# Altium PCB EBAZ4205扩展.PcbDoc (part 1 of 3) (continued)
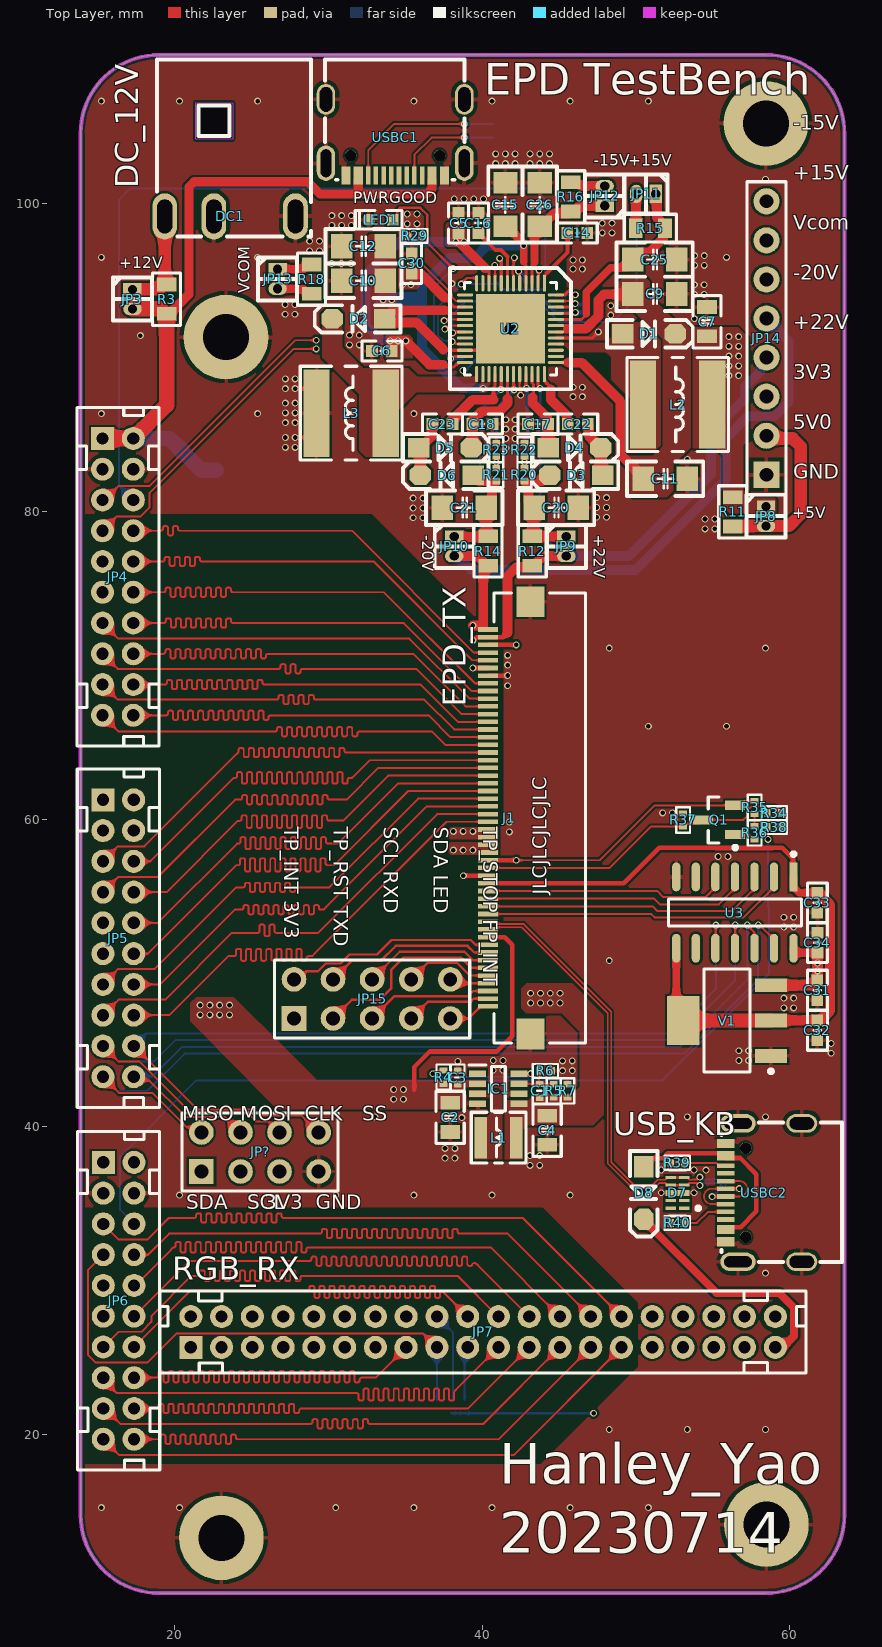
[diagram p0: Top Layer view]
## Footprints (in the part's own frame and the unit in brackets; to place one, negate y for a bottom-side part, rotate by r counter-clockwise, add the part's x,y. Pads: shape width x height; smd on the part's side, far side on the other; paste and mask are expansions set on the pad) (continued)
HDR2.54-LI-2x5P [mm] "双排排针，5x2脚"
  rect 1.6x1.6 hole 0.9: 1(-5.08,-1.27)
  round 1.6 hole 0.9: 2(-5.08,1.27) 3(-2.54,-1.27) 4(-2.54,1.27) 5(0,-1.27) 6(0,1.27) 7(2.54,-1.27) 8(2.54,1.27) 9(5.08,-1.27) 10(5.08,1.27)
  silkscreen extent -6.35,-2.54 6.35,2.54, body extent -6.35,-2.54 6.35,2.54, height 8.5
HDR2.54-LI-8P [mm] "排针，8脚  淘宝ID:黄晶宝石   店铺网址:https://shop463601444.taobao.com"
  rect 1.7x1.7 hole 0.9: 1(-8.89,0)
  round 1.7 hole 0.9: 2(-6.35,0) 3(-3.81,0) 4(-1.27,0) 5(1.27,0) 6(3.81,0) 7(6.35,0) 8(8.89,0)
  silkscreen extent -10.16,-1.27 10.16,1.27, body extent -10.16,-1.27 10.16,1.27, height 2.54
LED0603_B [mil] "蓝色0603LED"
  rect 30x30 smd: 1(-30.59,0)
  oct 30x30 smd: 2(30.59,0)
  silkscreen extent -54,-24 65,24, body extent -32,-16 31,16, height 24
MINI560 [mm]
  rect 3.25x5.2 smd: 1(-13.335,5.7) 2(-13.335,-5.7) 3(13.335,5.7) 4(13.335,-5.7)
  silkscreen extent -15,-9 15,9
NR3010 [mm] "3.0mm*3.0mm*1.0mm(长*宽*高）"
  rect 0.8x2.7 smd: 1(-1.15,0) 2(1.15,0)
  silkscreen extent -1.78,-1.65 1.78,1.65, body extent -1.5,-1.5 1.5,1.5, height 1.15
NR6020 [mm] "6.0mm*6.0mm*2.0mm(长*宽*高）"
  rect 1.7x5.7 smd: 1(-2.25,0) 2(2.25,0)
  silkscreen extent -3.3,-3.05 3.3,3.05, body extent -3,-3 3,3, height 2.1
PHD2.0-LI-2x10P [mm] "20脚，长：22mm，宽：5mm，高：6.5mm"
  rect 1.5x1.5 hole 0.8: 1(-9,-1)
  round 1.5 hole 0.8: 2(-9,1) 3(-7,-1) 4(-7,1) 5(-5,-1) 6(-5,1) 7(-3,-1) 8(-3,1) 9(-1,-1) 10(-1,1) 11(1,-1) 12(1,1) 13(3,-1) 14(3,1) 15(5,-1) 16(5,1) 17(7,-1) 18(7,1) 19(9,-1) 20(9,1)
  silkscreen extent -11,-2.67 11,2.67, body extent -11,-2.5 11,2.5, height 6.55
PHD2.0-LI-2x20P [mm] "40脚，长：42mm，宽：5mm，高：6.5mm"
  rect 1.5x1.5 hole 0.8: 1(-19,-1)
  round 1.5 hole 0.8: 2(-19,1) 3(-17,-1) 4(-17,1) 5(-15,-1) 6(-15,1) 7(-13,-1) 8(-13,1) 9(-11,-1) 10(-11,1) 11(-9,-1) 12(-9,1) 13(-7,-1) 14(-7,1) 15(-5,-1) 16(-5,1) 17(-3,-1) 18(-3,1) 19(-1,-1) 20(-1,1) 21(1,-1) 22(1,1) 23(3,-1) 24(3,1) 25(5,-1) 26(5,1) 27(7,-1) 28(7,1) 29(9,-1) 30(9,1) 31(11,-1) 32(11,1) 33(13,-1) 34(13,1) 35(15,-1) 36(15,1) 37(17,-1) 38(17,1) 39(19,-1) 40(19,1)
  silkscreen extent -21,-2.67 21,2.67, body extent -21,-2.5 21,2.5, height 6.55
R0402_L [mm] "1/16W贴片电阻"
  rect 0.4x0.5 smd: 1(-0.425,0) 2(0.425,0)
  silkscreen extent -0.82,-0.45 0.83,0.45, body extent -0.5,-0.25 0.5,0.25, height 0.3
R0805-HP_L [mm] "1/8W高精度贴片电阻"
  rect 0.889x1.27 smd: 1(-0.95,0) 2(0.95,0)
  silkscreen extent -1.7,-0.91 1.7,0.9, body extent -1,-0.62 1,0.63, height 0.5
SOD-123 [mil] "2.7x1.6X1.1mm（长宽高，不包括引脚） 淘宝ID:黄晶宝石"
  rect 55x50 smd: 1(-67.5,0)
  oct 55x50 smd: 2(67.5,0)
  silkscreen extent -108,-35 112,35, body extent -73,-32 73,31, height 50
SOP65P280X100-8N [mm]
  rect 1.1x0.45 smd: 1(-1.35,0.975) 2(-1.35,0.325) 3(-1.35,-0.325) 4(-1.35,-0.975) 5(1.35,-0.975) 6(1.35,-0.325) 7(1.35,0.325) 8(1.35,0.975)
  silkscreen extent -1.9,-1.45 0.45,1.55, body extent -1.4,-1.45 1.4,1.45, height 1
SOT23-3N [mm] "SOT23, 3-Leads, Body 2.9x1.3mm, Pitch 0.95mm, Lead Span 2.4mm, IPC Medium Density"
  rect 1.3x0.6 smd: 1(-1.05,0.95) 2(-1.05,-0.95) 3(1.05,0)
  silkscreen extent -1.18,-1.5 0.7,1.92, body extent -1.2,-1.5 1.2,1.5, height 1.05
SOT223_L [mm] "SOT223, 4-Leads, Body 6.5x3.5mm, Pitch 2.3mm, Lead Span 7mm, IPC High Density"
  rect 2.1x0.9 smd: 1(-2.85,2.3) 2(-2.85,0) 3(-2.85,-2.3)
  rect 2.1x3.2 smd: 4(2.85,0)
  silkscreen extent -2.98,-3.35 1.5,3.42, body extent -3.51,-3.25 3.51,3.25, height 1.65
TPS65185_RSLR [mm]
  rect 1.057x0.199 smd paste+0 mask+0: 1(-2.951,2.2)
  rrect100% 1.057x0.199 smd paste+0 mask+0: 2(-2.951,1.8) 3(-2.951,1.4) 4(-2.951,1) 5(-2.951,0.6) 6(-2.951,0.2) 7(-2.951,-0.2) 8(-2.951,-0.6) 9(-2.951,-1) 10(-2.951,-1.4) 11(-2.951,-1.8) 12(-2.951,-2.2) 25(2.951,-2.2) 26(2.951,-1.8) 27(2.951,-1.4) 28(2.951,-1) 29(2.951,-0.6) 30(2.951,-0.2) 31(2.951,0.2) 32(2.951,0.6) 33(2.951,1) 34(2.951,1.4) 35(2.951,1.8) 36(2.951,2.2)
  rrect100% 0.199x1.057 smd paste+0 mask+0: 13(-2.2,-2.951) 14(-1.8,-2.951) 15(-1.4,-2.951) 16(-1,-2.951) 17(-0.6,-2.951) 18(-0.2,-2.951) 19(0.2,-2.951) 20(0.6,-2.951) 21(1,-2.951) 22(1.4,-2.951) 23(1.8,-2.951) 24(2.2,-2.951) 37(2.2,2.951) 38(1.8,2.951) 39(1.4,2.951) 40(1,2.951) 41(0.6,2.951) 42(0.2,2.951) 43(-0.2,2.951) 44(-0.6,2.951) 45(-1,2.951) 46(-1.4,2.951) 47(-1.8,2.951) 48(-2.2,2.951)
  rrect50% 1.524x1.524 hole 0.762: 49(0,0)
  rect 4.5x4.5 smd paste-1000 mask+0: 49_1(0,0)
  silkscreen extent -3.94,-3.94 3.94,3.94, body extent -3.98,-3.98 3.98,3.98, height 0.25
USB-C-SMD_16P [mm] "封装库来自淘宝ID:黄晶宝石"
  oval 1.2x2.3 hole 0.7 slot 1.8 at 90 deg: 0(-4.5,-1.675) 0(4.5,-1.675)
  oval 1.2x2 hole 0.8 slot 1.6 at 90 deg: 0(-4.5,2.475) 0(4.5,2.475)
  rect 0.3x1.15 smd: A1(3.35,-2.473) A4(2.55,-2.471) A5(1.25,-2.475) A6(0.25,-2.475) A7(-0.25,-2.473) A9(-2.55,-2.475) A12(-3.35,-2.475) B1(-3.05,-2.475) B4(-2.25,-2.475) B5(-1.75,-2.475) B6(-0.75,-2.475) B7(0.75,-2.473) B9(2.25,-2.471) B12(3.05,-2.473)
  rect 0.3x1.148 smd: A8(1.75,-2.475) B8(-1.25,-2.475)
  round 0.75 hole 0.75 unplated: ""(-2.89,-1.175) ""(2.89,-1.175)
  silkscreen extent -4.56,-2.75 4.5,5.08, body extent -4.44,-2.87 4.5,5.03, height 3.25

## Part data
C1 C2 C3 C4 C5 C6 C7 C8 C9 C10 C11 C12 C13 C14 C15 C16 C17 C18 C19 C20 C21 C22 C23 C24 C25 C26 C27 C28 C29 C30 C31 C32 C33 C34: library part C, "贴片电容"
  C1 C2 C3 C4 C31 C32 C33 C34: BOM名称=无极性贴片电容, 联系卖家，免费查找封装=唯一出售店铺网址https://shop463601444.taobao.com
  C5 C6 C7 C8 C9 C10 C11 C12 C13 C14 C15 C16 C17 C18 C19 C20 C21 C22 C23 C24 C25 C26 C27 C28 C29 C30: 0.0_BOM名称=无极性贴片电容, 1.库作者=冰凌猫, 2.库版本="v2.0 (2021.03.30)", 3.交流分享=Q群514746572,开源更新,欢迎一起交流学习PCB设计, 4.作者声明=旨为整合最全库集,欢迎转载,禁止商用！-冰凌猫, 5.备注说明=该库已二次整合过网上各热销库,基本最全,无需重复搜购安装
D7: "TVS DIODE 5V 15V SLP2510P8", Capacitance=0.8pF, Case/Package=SMD/SMT, Clamping Voltage=15V, Leakage Current=1uA, Max Operating Temperature=125°C, Min Breakdown Voltage=6V, Min Operating Temperature=-55°C, Peak Pulse Current=1A, Peak Pulse Power=150W, Power Line Protection=Yes, Reverse Standoff Voltage=5V, Clamping Voltage-Max=15V, Depth=1mm, Direction=Unidirectional, Length=2.5mm, Mount="Surface Mount", Number of Bidirectional Channels=4, Number of Pins=10, Number of Unidirectional Channels=4, Packaging="Tape and Reel", Radiation Hardening=No, RoHS Compliant=Yes, Series=RailClamp®, Working Voltage=5V
D8: "TVS通用", Code_JEDEC=DO-214-AB, 联系卖家，免费查找封装=唯一出售店铺网址https://shop463601444.taobao.com
IC1: "Integrated Circuit", Manufacturer_Name="Monolithic Power Systems (MPS)", Mouser Part Number=946-MP2143DJLFZ, Datasheet Link=https://www.mouser.com/ds/2/277/MP2143_r1.07-371732.pdf, Height=1mm, Manufacturer_Part_Number=MP2143DJ-LF-Z, Mouser Price/Stock=https://www.mouser.co.uk/ProductDetail/Monolithic-Power-Systems-MPS/MP2143DJ-LF-Z?qs=QEkzKklKf2Sh6e0cSbvEyA%3D%3D
J1: library part CMP-1502-01644-1, "SMT ZIF Connectors Hinge Type WR-FPC, Horizontal, Bottom Contact, pitch 0.5 mm, 50 pins", Contact Resistance=50mOhm, Manufacturer="Wurth Elektronik", Operating Temperature=-40to105degC, Rated Current=0.5A, Withstanding Voltage=150VAC, Working Voltage=50VAC, Contact Design=BottomContact, Datasheet URL=https://katalog.we-online.de/em/datasheet/687150149022.pdf, Manufacturer URL=http://www.we-online.de, Mounting Technology=SMT, Orientation=Horizontal, Package Reference=687150149022, Packaging=TapeandReel, Part Number=687150149022, Pin Number=50, Pitch=0.5mm, Publisher=WurthElektronik
JP3 JP8 JP9 JP10 JP11 JP12 JP13: library part "Header 2", "2P接插件", BOM名称=2P接插件, 学习资源=www.ooocke.com, 版权归属=源创客
JP4 JP5 JP6: library part "Header 10X2", "10*2P接插件", 封装库来自淘宝卖家 ID：黄晶宝石=其他店铺购入均为盗版，不享受售后技术支持服务，请立即申请退款
JP7: library part "Header 20X2", "20*2P接插件", BOM名称=20*2P接插件, 封装库来自淘宝卖家 ID：黄晶宝石=其他店铺购入均为盗版假冒封装库
JP14: library part "Header 8", "8P接插件", BOM名称=8P接插件, 学习资源=www.ooocke.com, 版权归属=源创客
JP15: "5*2P接插件", BOM名称=5*2P接插件, 封装库来自淘宝卖家 ID：黄晶宝石=其他店铺购入均为盗版假冒封装库, 联系卖家，免费查找封装=唯一出售店铺网址https://shop463601444.taobao.com
JP?: "4*2P接插件", BOM名称=4*2P接插件, 封装库来自淘宝卖家 ID：黄晶宝石=其他店铺购入均为盗版假冒封装库, 联系卖家，免费查找封装=唯一出售店铺网址https://shop463601444.taobao.com
L1 L2 L3: library part L-NR, "太诱-NR磁胶电感", 0.0_BOM名称=NR磁胶电感, 1.库作者=冰凌猫, 2.库版本="v2.0 (2021.03.30)", 3.交流分享=Q群514746572,开源更新,欢迎一起交流学习PCB设计, 4.作者声明=旨为整合最全库集,欢迎转载,禁止商用！-冰凌猫, 5.备注说明=该库已二次整合过网上各热销库,基本最全,无需重复搜购安装
LED1: library part LED-SMD, "贴片LED", BOM名称=贴片LED, 封装库来自淘宝卖家 ID：黄晶宝石=其他店铺购入均为假冒，请立即申请退款，本店奖励现金5~20元
Q1: "P沟道 30V/4.2A", BOM名称=场效应管, 参数="P沟道 30V/4.2A", 封装库来自淘宝卖家 ID：黄晶宝石=其他店铺购入均为盗版，不享受售后技术支持服务，请立即申请退款, 联系卖家，免费查找封装=唯一出售店铺网址https://shop463601444.taobao.com
R1 R2 R4 R5 R6 R7 R8 R9 R10 R13 R17 R19 R20 R21 R22 R23 R24 R25 R26 R27 R28 R29 R30 R31 R32 R33 R34 R35 R36 R37 R38 R39 R40: library part R, "贴片电阻"
  R1 R2 R4 R5 R6 R7 R8 R9 R34 R35 R36 R37 R39 R40: BOM名称=贴片电阻, 封装库来自淘宝卖家ID：黄晶宝石=其他店铺购入均为盗版假冒封装库，请立即申请退款, 联系卖家，免费查找封装=唯一出售店铺网址https://shop463601444.taobao.com
  R10 R13 R17 R19 R20 R21 R22 R23 R24 R25 R26 R27 R28 R29 R30 R31 R32 R33 R38: 0.0_BOM名称=贴片电阻, 1.库作者=冰凌猫, 2.库版本="v2.0 (2021.03.30)", 3.交流分享=Q群514746572,开源更新,欢迎一起交流学习PCB设计, 4.作者声明=旨为整合最全库集,欢迎转载,禁止商用！-冰凌猫, 5.备注说明=该库已二次整合过网上各热销库,基本最全,无需重复搜购安装
R3 R11 R12 R14 R15 R16 R18: library part "R-High Precision", "贴片精密电阻", BOM名称=精密电阻, 封装库来自淘宝卖家ID：黄晶宝石=其他店铺购入均为盗版假冒封装库，请立即申请退款, 联系卖家，免费查找封装=唯一出售店铺网址https://shop463601444.taobao.com
U3: library part CMP-04899-000005-1, "IC TRNSLTR BIDIRECTIONAL 14SOIC", Ambient Temperature Range High=+85°C, Ambient Temperature Range Low=-40°C, Manufacturer="Texas Instruments", Max Junction Temp=+150°C, Max Supply Voltage=5.5V, Min Supply Voltage=1.65V, Nominal Supply Current=14.4uA, Package=D0014A, Temperature="-40°C to +85°C", Automotive=No, Category=IC, ComponentLink2Description=Datasheet, ComponentLink2URL=http://www.ti.com/lit/ds/symlink/txs0104e.pdf, Data Rate=24Mbits/s, Device Class L1="Integrated Circuits (ICs)", Device Class L2="Logic ICs", Device Class L3="Voltage Level Shifters", Digikey Description="IC TRNSLTR BIDIRECTIONAL 14SOIC", Height=1.75mm, Lead Free=Yes, Logic Function Desc=Non-Inverting, Manufacturer Part Number=TXS0104ED, Mouser Description="4-Bit Bidirectional Voltage-Level Shifter for Open-Drain and Push-Pull Applications 14-SOIC -40 to 85", Number of Circuits=1, Number Of Inputs=4, Number of Outputs=4, Octopart=https://octopart.com/txs0104ed-texas+instruments-1486620, Propagation Delay=165ns, RoHS=TRUE, Standoff Height=0.1mm, Temperature Range High=+85°C, Temperature Range Low=-40°C, V A Max=3.6V, V A Min=1.25V, V B Max=4.4V, V B Min=0.4V
USBC1 USBC2: library part USB2.0_Type-C_16Pin, "USB2.0 Type-C 16Pin  母座", 联系卖家，免费技术支持=唯一出售店铺网址https://shop463601444.taobao.com
V1: library part LD1117, "三端稳压芯片", BOM名称=稳压芯片, 封装库来自淘宝卖家 ID：黄晶宝石=其他店铺购入均为盗版，请立即申请退款，本店现金奖励5~20元, 联系卖家 免费查找封装=唯一出售店铺网址https://shop463601444.taobao.com

## Free pads (board coordinates)
  round 5.5 hole 3: 1(23.044,13.274) 1(23.341,91.338) 1(58.445,105.232) 1(58.478,14.134)

## Via types
v1: diameter 0.45, hole 0.3, Top Layer to Bottom Layer, tented both sides, 287 vias

## Nets (pads, with @x,y where several pads share a name; then routed paths per layer and width w, separated by ;. In a path a pad name is that pad's centre, name@x,y a point inside that pad or via, vN(x,y) a via of type N, cw(c..) or ccw(c..) an arc to the next point about the centre after c; other vN are vias at no path point)
EPD_CKV: J1.47 JP4.8 | length 27.8
  Top Layer w0.127: JP4.8@17.316,78.751 19.049,78.751 19.112,78.751 ccw(c19.112,78.878) 19.239,78.878 19.239,78.936 cw(c19.354,78.936) 19.354,79.051 19.452,79.051 cw(c19.452,78.936) 19.566,78.936 19.566,78.565 ccw(c19.681,78.565) 19.681,78.451 19.779,78.451 ccw(c19.779,78.565) 19.893,78.565 19.893,78.936 cw(c20.008,78.936) 20.008,79.051 20.106,79.051 cw(c20.106,78.936) 20.22,78.936 20.22,78.878 ccw(c20.347,78.878) 20.347,78.751 20.777,78.751 24.067,78.751 31.543,78.751 39.464,70.83 J1.47@40.392,70.83
EPD_D0: J1.42 JP4.14 | length 31.3
  Top Layer w0.127: JP4.14@17.316,72.751 18.83,72.751 19.237,72.751 19.301,72.751 ccw(c19.301,72.878) 19.428,72.878 19.428,72.936 cw(c19.542,72.936) 19.542,73.051 19.64,73.051 cw(c19.64,72.936) 19.755,72.936 19.755,72.565 ccw(c19.869,72.565) 19.869,72.451 19.967,72.451 ccw(c19.967,72.565) 20.082,72.565 20.082,72.936 cw(c20.196,72.936) 20.196,73.051 20.294,73.051 cw(c20.294,72.936) 20.409,72.936 20.409,72.565 ccw(c20.523,72.565) 20.523,72.451 20.621,72.451 ccw(c20.621,72.565) 20.736,72.565 20.736,72.936 cw(c20.85,72.936) 20.85,73.051 20.948,73.051 cw(c20.948,72.936) 21.063,72.936 21.063,72.565 ccw(c21.177,72.565) 21.177,72.451 21.275,72.451 ccw(c21.275,72.565) 21.39,72.565 21.39,72.936 cw(c21.504,72.936) 21.504,73.051 21.602,73.051 cw(c21.602,72.936) 21.717,72.936 21.717,72.565 ccw(c21.831,72.565) 21.831,72.451 21.929,72.451 ccw(c21.929,72.565) 22.044,72.565 22.044,72.936 cw(c22.158,72.936) 22.158,73.051 22.256,73.051 cw(c22.256,72.936) 22.371,72.936 22.371,72.565 ccw(c22.485,72.565) 22.485,72.451 22.583,72.451 ccw(c22.583,72.565) 22.698,72.565 22.698,72.936 cw(c22.812,72.936) 22.812,73.051 22.91,73.051 cw(c22.91,72.936) 23.025,72.936 23.025,72.565 ccw(c23.139,72.565) 23.139,72.451 23.237,72.451 ccw(c23.237,72.565) 23.352,72.565 23.352,72.936 cw(c23.466,72.936) 23.466,73.051 23.564,73.051 cw(c23.564,72.936) 23.679,72.936 23.679,72.878 ccw(c23.806,72.878) 23.806,72.751 24.173,72.751 25.739,72.751 34.914,72.751 39.335,68.33 J1.42@40.392,68.33
EPD_D1: J1.41 JP4.13 | length 27.1
  Top Layer w0.127: JP4.13@15.316,72.751 16.327,71.739 35.267,71.739 39.177,67.83 J1.41@40.392,67.83
EPD_D2: J1.40 JP4.16 | length 34.4
  Top Layer w0.127: JP4.16@17.316,70.751 19.209,70.751 19.273,70.751 ccw(c19.273,70.878) 19.4,70.878 19.4,70.936 cw(c19.514,70.936) 19.514,71.051 19.612,71.051 cw(c19.612,70.936) 19.727,70.936 19.727,70.565 ccw(c19.841,70.565) 19.841,70.451 19.939,70.451 ccw(c19.939,70.565) 20.054,70.565 20.054,70.936 cw(c20.168,70.936) 20.168,71.051 20.266,71.051 cw(c20.266,70.936) 20.381,70.936 20.381,70.565 ccw(c20.495,70.565) 20.495,70.451 20.593,70.451 ccw(c20.593,70.565) 20.708,70.565 20.708,70.936 cw(c20.822,70.936) 20.822,71.051 20.92,71.051 cw(c20.92,70.936) 21.035,70.936 21.035,70.565 ccw(c21.149,70.565) 21.149,70.451 21.247,70.451 ccw(c21.247,70.565) 21.362,70.565 21.362,70.936 cw(c21.476,70.936) 21.476,71.051 21.574,71.051 cw(c21.574,70.936) 21.689,70.936 21.689,70.565 ccw(c21.803,70.565) 21.803,70.451 21.901,70.451 ccw(c21.901,70.565) 22.016,70.565 22.016,70.936 cw(c22.13,70.936) 22.13,71.051 22.228,71.051 cw(c22.228,70.936) 22.343,70.936 22.343,70.565 ccw(c22.457,70.565) 22.457,70.451 22.555,70.451 ccw(c22.555,70.565) 22.67,70.565 22.67,70.936 cw(c22.784,70.936) 22.784,71.051 22.882,71.051 cw(c22.882,70.936) 22.997,70.936 22.997,70.565 ccw(c23.111,70.565) 23.111,70.451 23.209,70.451 ccw(c23.209,70.565) 23.324,70.565 23.324,70.936 cw(c23.438,70.936) 23.438,71.051 23.536,71.051 cw(c23.536,70.936) 23.651,70.936 23.651,70.565 ccw(c23.765,70.565) 23.765,70.451 23.863,70.451 ccw(c23.863,70.565) 23.978,70.565 23.978,70.936 cw(c24.092,70.936) 24.092,71.051 24.19,71.051 cw(c24.19,70.936) 24.305,70.936 24.305,70.565 ccw(c24.419,70.565) 24.419,70.451 24.517,70.451 ccw(c24.517,70.565) 24.632,70.565 24.632,70.936 cw(c24.746,70.936) 24.746,71.051 24.844,71.051 cw(c24.844,70.936) 24.959,70.936 24.959,70.565 ccw(c25.073,70.565) 25.073,70.451 25.171,70.451 ccw(c25.171,70.565) 25.286,70.565 25.286,70.936 cw(c25.4,70.936) 25.4,71.051 25.498,71.051 cw(c25.498,70.936) 25.613,70.936 25.613,70.565 ccw(c25.727,70.565) 25.727,70.451 25.825,70.451 ccw(c25.825,70.565) 25.94,70.565 25.94,70.624 cw(c26.067,70.624) 26.067,70.751 26.462,70.751 26.716,70.751 35.504,70.751 38.925,67.33 J1.40@40.392,67.33
EPD_D3: J1.39 JP4.15 | length 28.6
  Top Layer w0.127: JP4.15@15.316,70.751 16.293,69.773 26.698,69.773 26.761,69.773 ccw(c26.761,69.9) 26.888,69.9 26.888,69.959 cw(c27.003,69.959) 27.003,70.073 27.101,70.073 cw(c27.101,69.959) 27.215,69.959 27.215,69.588 ccw(c27.33,69.588) 27.33,69.473 27.428,69.473 ccw(c27.428,69.588) 27.542,69.588 27.542,69.959 cw(c27.657,69.959) 27.657,70.073 27.755,70.073 cw(c27.755,69.959) 27.869,69.959 27.869,69.588 ccw(c27.984,69.588) 27.984,69.473 28.082,69.473 ccw(c28.082,69.588) 28.196,69.588 28.196,69.646 cw(c28.323,69.646) 28.323,69.773 28.545,69.773 28.666,69.773 28.96,69.773 35.723,69.773 38.666,66.83 J1.39@40.392,66.83
EPD_D4: J1.38 JP4.18 | length 33.5
  Top Layer w0.127: JP4.18@17.316,68.751 19.311,68.751 19.375,68.751 ccw(c19.375,68.878) 19.502,68.878 19.502,68.936 cw(c19.616,68.936) 19.616,69.051 19.714,69.051 cw(c19.714,68.936) 19.829,68.936 19.829,68.565 ccw(c19.943,68.565) 19.943,68.451 20.041,68.451 ccw(c20.041,68.565) 20.156,68.565 20.156,68.936 cw(c20.27,68.936) 20.27,69.051 20.368,69.051 cw(c20.368,68.936) 20.483,68.936 20.483,68.565 ccw(c20.597,68.565) 20.597,68.451 20.695,68.451 ccw(c20.695,68.565) 20.81,68.565 20.81,68.936 cw(c20.924,68.936) 20.924,69.051 21.022,69.051 cw(c21.022,68.936) 21.137,68.936 21.137,68.565 ccw(c21.251,68.565) 21.251,68.451 21.349,68.451 ccw(c21.349,68.565) 21.464,68.565 21.464,68.936 cw(c21.578,68.936) 21.578,69.051 21.676,69.051 cw(c21.676,68.936) 21.791,68.936 21.791,68.565 ccw(c21.905,68.565) 21.905,68.451 22.003,68.451 ccw(c22.003,68.565) 22.118,68.565 22.118,68.936 cw(c22.232,68.936) 22.232,69.051 22.33,69.051 cw(c22.33,68.936) 22.445,68.936 22.445,68.565 ccw(c22.559,68.565) 22.559,68.451 22.657,68.451 ccw(c22.657,68.565) 22.772,68.565 22.772,68.936 cw(c22.886,68.936) 22.886,69.051 22.984,69.051 cw(c22.984,68.936) 23.099,68.936 23.099,68.565 ccw(c23.213,68.565) 23.213,68.451 23.311,68.451 ccw(c23.311,68.565) 23.426,68.565 23.426,68.936 cw(c23.54,68.936) 23.54,69.051 23.638,69.051 cw(c23.638,68.936) 23.753,68.936 23.753,68.565 ccw(c23.867,68.565) 23.867,68.451 23.965,68.451 ccw(c23.965,68.565) 24.08,68.565 24.08,68.936 cw(c24.194,68.936) 24.194,69.051 24.292,69.051 cw(c24.292,68.936) 24.407,68.936 24.407,68.565 ccw(c24.521,68.565) 24.521,68.451 24.619,68.451 ccw(c24.619,68.565) 24.734,68.565 24.734,68.936 cw(c24.848,68.936) 24.848,69.051 24.946,69.051 cw(c24.946,68.936) 25.061,68.936 25.061,68.565 ccw(c25.175,68.565) 25.175,68.451 25.273,68.451 ccw(c25.273,68.565) 25.388,68.565 25.388,68.936 cw(c25.502,68.936) 25.502,69.051 25.6,69.051 cw(c25.6,68.936) 25.715,68.936 25.715,68.878 ccw(c25.842,68.878) 25.842,68.751 26.066,68.751 27.474,68.751 36.001,68.751 38.422,66.33 J1.38@40.392,66.33
EPD_D5: J1.37 JP4.17 | length 29.7
  Top Layer w0.127: JP4.17@15.316,68.751 16.295,67.771 26.57,67.771 26.634,67.771 ccw(c26.634,67.898) 26.761,67.898 26.761,67.957 cw(c26.875,67.957) 26.875,68.071 26.973,68.071 cw(c26.973,67.957) 27.088,67.957 27.088,67.585 ccw(c27.202,67.585) 27.202,67.471 27.3,67.471 ccw(c27.3,67.585) 27.415,67.585 27.415,67.957 cw(c27.529,67.957) 27.529,68.071 27.627,68.071 cw(c27.627,67.957) 27.742,67.957 27.742,67.585 ccw(c27.856,67.585) 27.856,67.471 27.954,67.471 ccw(c27.954,67.585) 28.069,67.585 28.069,67.957 cw(c28.183,67.957) 28.183,68.071 28.281,68.071 cw(c28.281,67.957) 28.396,67.957 28.396,67.585 ccw(c28.51,67.585) 28.51,67.471 28.608,67.471 ccw(c28.608,67.585) 28.723,67.585 28.723,67.957 cw(c28.837,67.957) 28.837,68.071 28.935,68.071 cw(c28.935,67.957) 29.05,67.957 29.05,67.898 ccw(c29.177,67.898) 29.177,67.771 29.634,67.771 32.337,67.771 36.234,67.771 38.175,65.83 J1.37@40.392,65.83
EPD_D6: J1.36 JP4.20 | length 33.6
  Top Layer w0.127: JP4.20@17.316,66.751 19.384,66.751 19.448,66.751 ccw(c19.448,66.878) 19.575,66.878 19.575,66.936 cw(c19.689,66.936) 19.689,67.051 19.787,67.051 cw(c19.787,66.936) 19.902,66.936 19.902,66.565 ccw(c20.016,66.565) 20.016,66.451 20.114,66.451 ccw(c20.114,66.565) 20.229,66.565 20.229,66.936 cw(c20.343,66.936) 20.343,67.051 20.441,67.051 cw(c20.441,66.936) 20.556,66.936 20.556,66.565 ccw(c20.67,66.565) 20.67,66.451 20.768,66.451 ccw(c20.768,66.565) 20.883,66.565 20.883,66.936 cw(c20.997,66.936) 20.997,67.051 21.095,67.051 cw(c21.095,66.936) 21.21,66.936 21.21,66.565 ccw(c21.324,66.565) 21.324,66.451 21.422,66.451 ccw(c21.422,66.565) 21.537,66.565 21.537,66.936 cw(c21.651,66.936) 21.651,67.051 21.749,67.051 cw(c21.749,66.936) 21.864,66.936 21.864,66.565 ccw(c21.978,66.565) 21.978,66.451 22.076,66.451 ccw(c22.076,66.565) 22.191,66.565 22.191,66.936 cw(c22.305,66.936) 22.305,67.051 22.403,67.051 cw(c22.403,66.936) 22.518,66.936 22.518,66.565 ccw(c22.632,66.565) 22.632,66.451 22.73,66.451 ccw(c22.73,66.565) 22.845,66.565 22.845,66.936 cw(c22.959,66.936) 22.959,67.051 23.057,67.051 cw(c23.057,66.936) 23.172,66.936 23.172,66.565 ccw(c23.286,66.565) 23.286,66.451 23.384,66.451 ccw(c23.384,66.565) 23.499,66.565 23.499,66.936 cw(c23.613,66.936) 23.613,67.051 23.711,67.051 cw(c23.711,66.936) 23.826,66.936 23.826,66.565 ccw(c23.94,66.565) 23.94,66.451 24.038,66.451 ccw(c24.038,66.565) 24.153,66.565 24.153,66.936 cw(c24.267,66.936) 24.267,67.051 24.365,67.051 cw(c24.365,66.936) 24.48,66.936 24.48,66.565 ccw(c24.594,66.565) 24.594,66.451 24.692,66.451 ccw(c24.692,66.565) 24.807,66.565 24.807,66.936 cw(c24.921,66.936) 24.921,67.051 25.019,67.051 cw(c25.019,66.936) 25.134,66.936 25.134,66.565 ccw(c25.248,66.565) 25.248,66.451 25.346,66.451 ccw(c25.346,66.565) 25.461,66.565 25.461,66.936 cw(c25.575,66.936) 25.575,67.051 25.673,67.051 cw(c25.673,66.936) 25.788,66.936 25.788,66.565 ccw(c25.902,66.565) 25.902,66.451 26,66.451 ccw(c26,66.565) 26.115,66.565 26.115,66.624 cw(c26.242,66.624) 26.242,66.751 26.641,66.751 27.911,66.751 36.515,66.751 37.936,65.33 J1.36@40.392,65.33
EPD_D7: J1.35 JP4.19 | length 33.8
  Top Layer w0.127: JP4.19@15.316,66.751 16.381,65.685 26.457,65.685 26.521,65.685 ccw(c26.521,65.812) 26.648,65.812 26.648,65.871 cw(c26.762,65.871) 26.762,65.985 26.86,65.985 cw(c26.86,65.871) 26.975,65.871 26.975,65.499 ccw(c27.089,65.499) 27.089,65.385 27.187,65.385 ccw(c27.187,65.499) 27.302,65.499 27.302,65.871 cw(c27.416,65.871) 27.416,65.985 27.514,65.985 cw(c27.514,65.871) 27.629,65.871 27.629,65.499 ccw(c27.743,65.499) 27.743,65.385 27.841,65.385 ccw(c27.841,65.499) 27.956,65.499 27.956,65.871 cw(c28.07,65.871) 28.07,65.985 28.168,65.985 cw(c28.168,65.871) 28.283,65.871 28.283,65.499 ccw(c28.397,65.499) 28.397,65.385 28.495,65.385 ccw(c28.495,65.499) 28.61,65.499 28.61,65.871 cw(c28.724,65.871) 28.724,65.985 28.822,65.985 cw(c28.822,65.871) 28.937,65.871 28.937,65.499 ccw(c29.051,65.499) 29.051,65.385 29.149,65.385 ccw(c29.149,65.499) 29.264,65.499 29.264,65.871 cw(c29.378,65.871) 29.378,65.985 29.476,65.985 cw(c29.476,65.871) 29.591,65.871 29.591,65.499 ccw(c29.705,65.499) 29.705,65.385 29.803,65.385 ccw(c29.803,65.499) 29.918,65.499 29.918,65.871 cw(c30.032,65.871) 30.032,65.985 30.13,65.985 cw(c30.13,65.871) 30.245,65.871 30.245,65.499 ccw(c30.359,65.499) 30.359,65.385 30.457,65.385 ccw(c30.457,65.499) 30.572,65.499 30.572,65.871 cw(c30.686,65.871) 30.686,65.985 30.784,65.985 cw(c30.784,65.871) 30.899,65.871 30.899,65.499 ccw(c31.013,65.499) 31.013,65.385 31.111,65.385 ccw(c31.111,65.499) 31.226,65.499 31.226,65.871 cw(c31.34,65.871) 31.34,65.985 31.438,65.985 cw(c31.438,65.871) 31.553,65.871 31.553,65.499 ccw(c31.667,65.499) 31.667,65.385 31.765,65.385 ccw(c31.765,65.499) 31.88,65.499 31.88,65.558 cw(c32.007,65.558) 32.007,65.685 32.51,65.685 33.54,65.685 36.744,65.685 37.6,64.83 J1.35@40.392,64.83
EPD_D8: J1.34 JP5.5 | length 38.4
  Top Layer w0.127: JP5.5@15.341,57.256 16.316,58.231 18.04,58.231 24.048,64.239 24.111,64.302 ccw(c23.973,64.441) 24.169,64.441 24.169,64.515 cw(c24.283,64.515) 24.283,64.63 24.381,64.63 cw(c24.381,64.515) 24.496,64.515 24.496,64.144 ccw(c24.61,64.144) 24.61,64.03 24.708,64.03 ccw(c24.708,64.144) 24.823,64.144 24.823,64.515 cw(c24.937,64.515) 24.937,64.63 25.035,64.63 cw(c25.035,64.515) 25.15,64.515 25.15,64.144 ccw(c25.264,64.144) 25.264,64.03 25.362,64.03 ccw(c25.362,64.144) 25.477,64.144 25.477,64.515 cw(c25.591,64.515) 25.591,64.63 25.689,64.63 cw(c25.689,64.515) 25.804,64.515 25.804,64.144 ccw(c25.918,64.144) 25.918,64.03 26.016,64.03 ccw(c26.016,64.144) 26.131,64.144 26.131,64.515 cw(c26.245,64.515) 26.245,64.63 26.343,64.63 cw(c26.343,64.515) 26.458,64.515 26.458,64.144 ccw(c26.572,64.144) 26.572,64.03 26.67,64.03 ccw(c26.67,64.144) 26.785,64.144 26.785,64.515 cw(c26.899,64.515) 26.899,64.63 26.997,64.63 cw(c26.997,64.515) 27.112,64.515 27.112,64.144 ccw(c27.226,64.144) 27.226,64.03 27.324,64.03 ccw(c27.324,64.144) 27.439,64.144 27.439,64.515 cw(c27.553,64.515) 27.553,64.63 27.651,64.63 cw(c27.651,64.515) 27.766,64.515 27.766,64.144 ccw(c27.88,64.144) 27.88,64.03 27.978,64.03 ccw(c27.978,64.144) 28.093,64.144 28.093,64.515 cw(c28.207,64.515) 28.207,64.63 28.305,64.63 cw(c28.305,64.515) 28.42,64.515 28.42,64.144 ccw(c28.534,64.144) 28.534,64.03 28.632,64.03 ccw(c28.632,64.144) 28.747,64.144 28.747,64.515 cw(c28.861,64.515) 28.861,64.63 28.959,64.63 cw(c28.959,64.515) 29.074,64.515 29.074,64.144 ccw(c29.188,64.144) 29.188,64.03 29.286,64.03 ccw(c29.286,64.144) 29.401,64.144 29.401,64.515 cw(c29.515,64.515) 29.515,64.63 29.613,64.63 cw(c29.613,64.515) 29.728,64.515 29.728,64.144 ccw(c29.842,64.144) 29.842,64.03 29.94,64.03 ccw(c29.94,64.144) 30.055,64.144 30.055,64.515 cw(c30.169,64.515) 30.169,64.63 30.267,64.63 cw(c30.267,64.515) 30.382,64.515 30.382,64.144 ccw(c30.496,64.144) 30.496,64.03 30.594,64.03 ccw(c30.594,64.144) 30.709,64.144 30.709,64.515 cw(c30.823,64.515) 30.823,64.63 30.921,64.63 cw(c30.921,64.515) 31.036,64.515 31.036,64.457 ccw(c31.163,64.457) 31.163,64.33 31.466,64.33 J1.34@40.392,64.33
EPD_D9: J1.33 JP5.6 | length 40
  Top Layer w0.127: JP5.6@17.341,57.256 18.431,57.256 23.861,62.676 23.924,62.676 ccw(c23.924,62.803) 24.051,62.803 24.051,62.94 cw(c24.166,62.94) 24.166,63.055 24.264,63.055 cw(c24.264,62.94) 24.378,62.94 24.378,62.418 ccw(c24.493,62.418) 24.493,62.303 24.591,62.303 ccw(c24.591,62.418) 24.705,62.418 24.705,62.94 cw(c24.82,62.94) 24.82,63.055 24.918,63.055 cw(c24.918,62.94) 25.032,62.94 25.032,62.418 ccw(c25.147,62.418) 25.147,62.303 25.245,62.303 ccw(c25.245,62.418) 25.359,62.418 25.359,62.94 cw(c25.474,62.94) 25.474,63.055 25.572,63.055 cw(c25.572,62.94) 25.686,62.94 25.686,62.418 ccw(c25.801,62.418) 25.801,62.303 25.899,62.303 ccw(c25.899,62.418) 26.013,62.418 26.013,62.94 cw(c26.128,62.94) 26.128,63.055 26.226,63.055 cw(c26.226,62.94) 26.34,62.94 26.34,62.418 ccw(c26.455,62.418) 26.455,62.303 26.553,62.303 ccw(c26.553,62.418) 26.667,62.418 26.667,62.94 cw(c26.782,62.94) 26.782,63.055 26.88,63.055 cw(c26.88,62.94) 26.994,62.94 26.994,62.418 ccw(c27.109,62.418) 27.109,62.303 27.207,62.303 ccw(c27.207,62.418) 27.321,62.418 27.321,62.94 cw(c27.436,62.94) 27.436,63.055 27.534,63.055 cw(c27.534,62.94) 27.648,62.94 27.648,62.418 ccw(c27.763,62.418) 27.763,62.303 27.861,62.303 ccw(c27.861,62.418) 27.975,62.418 27.975,62.94 cw(c28.09,62.94) 28.09,63.055 28.188,63.055 cw(c28.188,62.94) 28.302,62.94 28.302,62.418 ccw(c28.417,62.418) 28.417,62.303 28.515,62.303 ccw(c28.515,62.418) 28.629,62.418 28.629,62.94 cw(c28.744,62.94) 28.744,63.055 28.842,63.055 cw(c28.842,62.94) 28.956,62.94 28.956,62.418 ccw(c29.071,62.418) 29.071,62.303 29.169,62.303 ccw(c29.169,62.418) 29.283,62.418 29.283,62.94 cw(c29.398,62.94) 29.398,63.055 29.496,63.055 cw(c29.496,62.94) 29.61,62.94 29.61,62.418 ccw(c29.725,62.418) 29.725,62.303 29.823,62.303 ccw(c29.823,62.418) 29.937,62.418 29.937,62.94 cw(c30.052,62.94) 30.052,63.055 30.15,63.055 cw(c30.15,62.94) 30.264,62.94 30.264,62.418 ccw(c30.379,62.418) 30.379,62.303 30.477,62.303 ccw(c30.477,62.418) 30.591,62.418 30.591,62.94 cw(c30.706,62.94) 30.706,63.055 30.804,63.055 cw(c30.804,62.94) 30.918,62.94 30.918,62.418 ccw(c31.033,62.418) 31.033,62.303 31.131,62.303 ccw(c31.131,62.418) 31.245,62.418 31.245,62.549 cw(c31.372,62.549) 31.372,62.676 31.535,62.676 31.635,62.776 32.688,63.83 J1.33@40.392,63.83
EPD_D10: J1.32 JP5.7 | length 36.8
  Top Layer w0.127: JP5.7@15.341,55.256 16.324,56.239 18.916,56.239 23.941,61.265 24.198,61.265 24.262,61.265 ccw(c24.262,61.392) 24.389,61.392 24.389,61.45 cw(c24.503,61.45) 24.503,61.565 24.601,61.565 cw(c24.601,61.45) 24.716,61.45 24.716,61.079 ccw(c24.83,61.079) 24.83,60.965 24.928,60.965 ccw(c24.928,61.079) 25.043,61.079 25.043,61.45 cw(c25.157,61.45) 25.157,61.565 25.255,61.565 cw(c25.255,61.45) 25.37,61.45 25.37,61.079 ccw(c25.484,61.079) 25.484,60.965 25.582,60.965 ccw(c25.582,61.079) 25.697,61.079 25.697,61.45 cw(c25.811,61.45) 25.811,61.565 25.909,61.565 cw(c25.909,61.45) 26.024,61.45 26.024,61.079 ccw(c26.138,61.079) 26.138,60.965 26.236,60.965 ccw(c26.236,61.079) 26.351,61.079 26.351,61.45 cw(c26.465,61.45) 26.465,61.565 26.563,61.565 cw(c26.563,61.45) 26.678,61.45 26.678,61.079 ccw(c26.792,61.079) 26.792,60.965 26.89,60.965 ccw(c26.89,61.079) 27.005,61.079 27.005,61.45 cw(c27.119,61.45) 27.119,61.565 27.217,61.565 cw(c27.217,61.45) 27.332,61.45 27.332,61.079 ccw(c27.446,61.079) 27.446,60.965 27.544,60.965 ccw(c27.544,61.079) 27.659,61.079 27.659,61.45 cw(c27.773,61.45) 27.773,61.565 27.871,61.565 cw(c27.871,61.45) 27.986,61.45 27.986,61.079 ccw(c28.1,61.079) 28.1,60.965 28.198,60.965 ccw(c28.198,61.079) 28.313,61.079 28.313,61.45 cw(c28.427,61.45) 28.427,61.565 28.525,61.565 cw(c28.525,61.45) 28.64,61.45 28.64,61.079 ccw(c28.754,61.079) 28.754,60.965 28.852,60.965 ccw(c28.852,61.079) 28.967,61.079 28.967,61.45 cw(c29.081,61.45) 29.081,61.565 29.179,61.565 cw(c29.179,61.45) 29.294,61.45 29.294,61.079 ccw(c29.408,61.079) 29.408,60.965 29.506,60.965 ccw(c29.506,61.079) 29.621,61.079 29.621,61.45 cw(c29.735,61.45) 29.735,61.565 29.833,61.565 cw(c29.833,61.45) 29.948,61.45 29.948,61.392 ccw(c30.075,61.392) 30.075,61.265 30.573,61.265 31.189,61.265 33.254,63.33 J1.32@40.392,63.33